# Altium PCB higgs.PcbDoc (part 18 of 25) (continued)
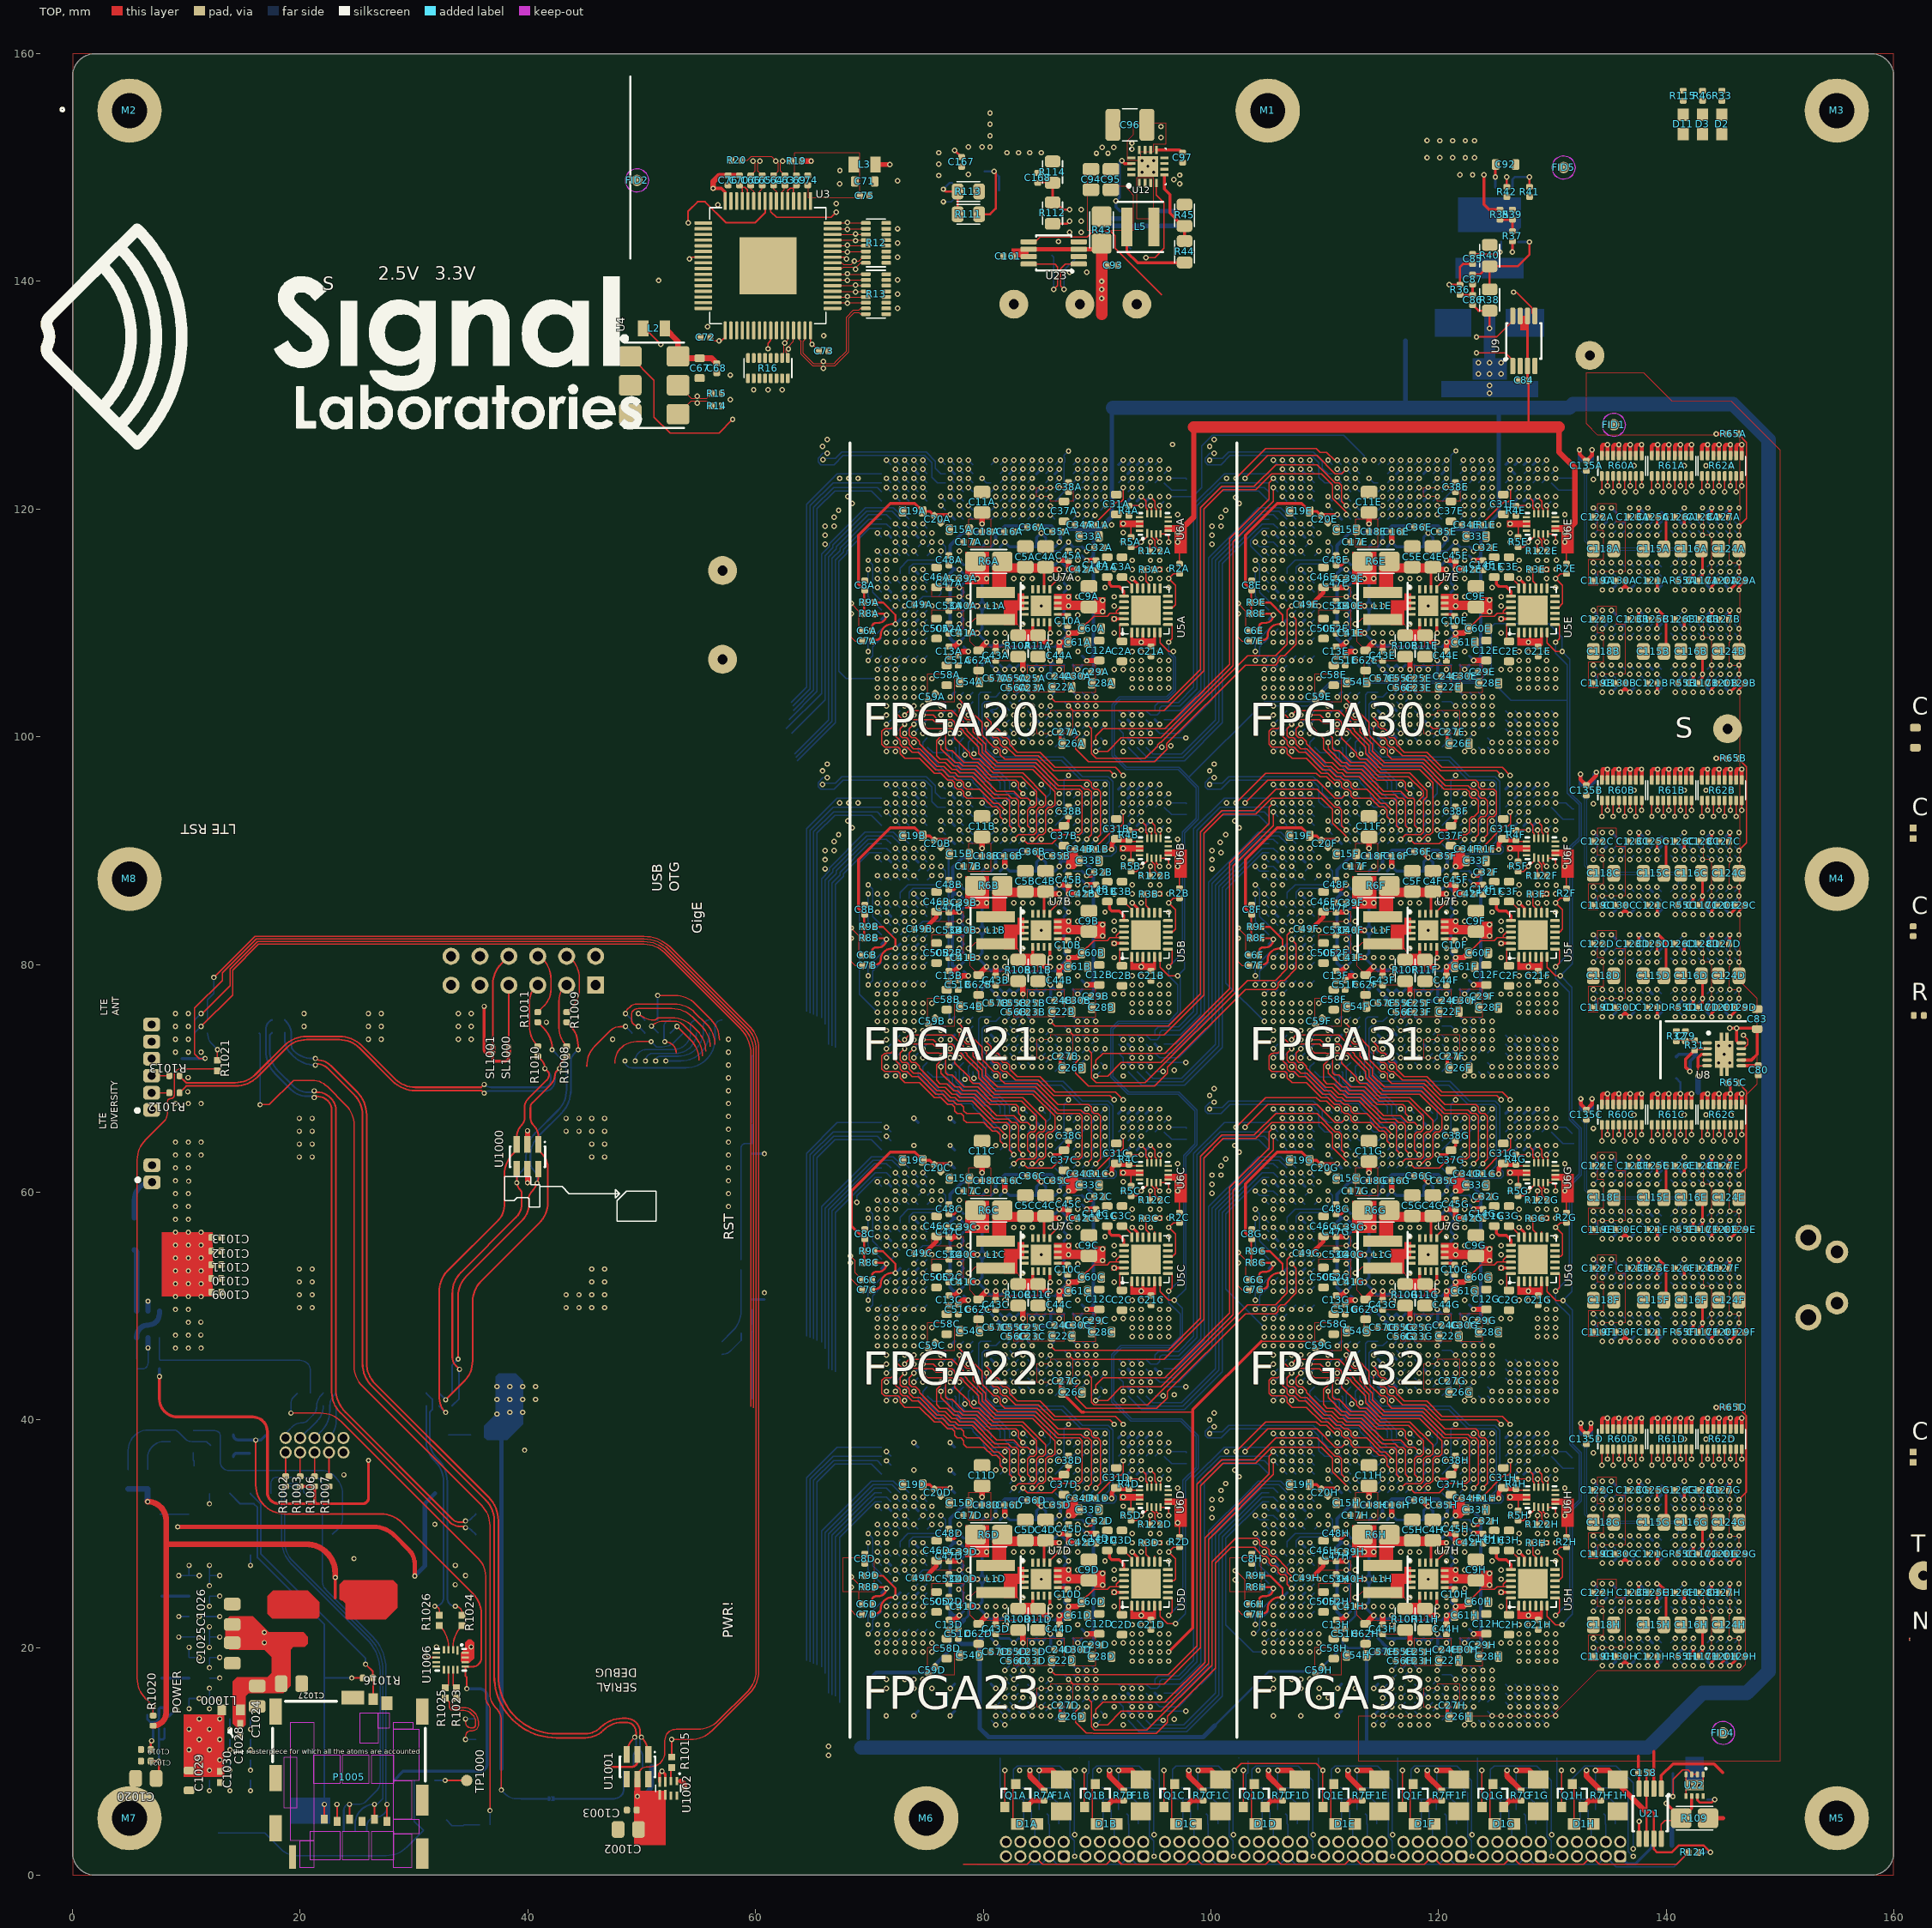
[diagram p0: TOP view]
## Nets (pads, with @x,y where several pads share a name; then routed paths per layer and width w, separated by ;. In a path a pad name is that pad's centre, name@x,y a point inside that pad or via, vN(x,y) a via of type N, cw(c..) or ccw(c..) an arc to the next point about the centre after c; other vN are vias at no path point) (continued)
  S6(H) w0.102: v1(118.3,45.7) 119.5,46.9 119.5,47.546 119.995,47.546 119.995,48.049 119.5,48.049 119.5,48.734 120.866,50.1 122.466,50.1 123.356,50.99 125.821,50.99 126.531,51.7 129.154,51.7 129.154,51.205 129.657,51.205 129.657,51.7 131.054,51.7 131.054,51.205 131.557,51.205 131.557,51.7 132.06,51.7 132.06,51.205 132.563,51.205 132.563,51.7 132.9,51.7 133.3,52.1 134.565,52.1 134.799,52.335 134.799,53.146 134.211,53.146 134.211,53.649 134.799,53.649 134.799,54.846 135.295,54.846 135.295,55.349 134.799,55.349 134.799,57.101 v1(135.199,57.5)
  BOT w0.102: U1G.U27@117.9,46.1 v1(118.3,45.7) ; v1(135.199,57.5) U14E.C8@135.599,57.1
IL34_32.LR.G0.D4_N: R60C.1 U1G.U28 U14E.K9 U14F.K9 | length 52.8
  TOP w0.102: v1(134.35,64.5) R60C.1@134.35,65.905
  S1(V) w0.102: v1(118.3,44.9) 118.7,44.5 125.4,44.5 ; 125.4,44.501 125.665,44.501 125.901,44.736 125.901,45.065 126.135,45.299 129.665,45.299 129.901,45.064 129.901,44.735 130.135,44.501 130.799,44.501 130.8,44.5 139.201,44.5 v1(141.6,46.9) 142,47.3 142,55.5 v1(141.6,55.9) 141.2,56.3 141.2,57.4 141.2,57.665 140.966,57.9 140.8,57.9 ; v1(134.35,64.5) 133.999,64.149 133.999,60.535 135.6,58.934 135.6,58.134 135.834,57.9 140.8,57.9
  BOT w0.102: U1G.U28@117.9,45.3 v1(118.3,44.9) ; U14F.K9@141.2,47.3 v1(141.6,46.9) ; U14E.K9@141.2,56.3 v1(141.6,55.9)
IL34_32.LR.G0.D4_P: U1G.T29 U14E.D7 | length 32.6
  S6(H) w0.102: v1(116.7,44.1) 117.1,44.5 120.066,44.5 120.3,44.734 120.3,46.666 120.3,49.103 120.992,49.795 122.592,49.795 123.482,50.686 126.277,50.686 126.492,50.9 135,50.9 135.6,51.5 135.6,57.9 v1(136,58.3)
  BOT w0.102: v1(116.7,44.1) U1G.T29@117.1,44.5 ; v1(136,58.3) U14E.D7@136.4,57.9
IL34_32.LR.G0.S_N: U1G.T28 U14E.B7 | length 33.4
  S6(H) w0.089: v1(116.7,44.9) 117.1,45.3 117.1,46.666 116.802,46.964 116.802,48.436 117.1,48.734 117.1,49.066 116.8,49.366 116.8,50.6 117.58,51.38 118.011,50.949 118.358,51.296 117.927,51.727 118.198,51.998 119.436,51.998 119.734,51.7 121.666,51.7 121.962,51.997 122.597,51.997 123.2,52.6 126,52.6 126.403,53.003 131.591,53.003 132.2,53.612 132.2,57.91 133.29,59 134.498,59 134.698,58.8 134.698,58.598 v1(134.399,58.3)
  BOT w0.089: v1(116.7,44.9) U1G.T28@117.1,45.3 ; v1(134.399,58.3) U14E.B7@134.799,57.9
IL34_32.LR.G0.S_P: U1G.R29 U14E.C7 | length 33.7
  S6(H) w0.089: v1(115.9,44.1) 116.3,44.5 116.3,45 116.3,46.666 116.598,46.964 116.598,48.436 116.3,48.734 116.3,49.066 116.597,49.362 116.597,50.684 118.114,52.202 119.436,52.202 119.734,52.5 121.666,52.5 121.966,52.2 122.513,52.2 123.116,52.803 125.916,52.803 126.319,53.206 131.507,53.206 131.997,53.697 131.997,57.994 132.698,58.695 133.206,59.203 134.582,59.203 134.901,58.884 134.901,58.598 v1(135.199,58.3)
  BOT w0.089: v1(115.9,44.1) U1G.R29@116.3,44.5 ; v1(135.199,58.3) U14E.C7@135.599,57.9
IL34_32.LR.G1.D0_N: U1G.P30 U14F.H7 | length 35.6
  S1(V) w0.102: v1(115.1,43.3) 114.7,43.7 114.7,46.666 116.449,48.414 117.58,48.414 117.9,48.734 117.9,49.066 119.43,50.595 120.764,50.595 121.983,51.814 124.649,51.814 125.544,52.71 126.469,52.71 126.974,53.214 130.252,53.214 131.043,54.005 131.643,54.005 132.138,54.5 135.365,54.5 136.965,52.9 137.2,52.666 137.2,51.3 v1(139.2,49.3)
  BOT w0.102: v1(115.1,43.3) U1G.P30@115.5,43.7 ; v1(139.2,49.3) U14F.H7@139.6,48.9
IL34_32.LR.G1.D0_P: U1G.P31 U14F.F7 | length 33.7
  S1(V) w0.102: v1(115.9,42.5) 115.5,42.9 115.5,46.666 116.944,48.11 118.075,48.11 118.7,48.734 118.7,49.09 119.9,50.29 120.89,50.29 122.11,51.51 125.7,51.51 127.1,52.91 130.379,52.91 130.979,53.51 135.69,53.51 136.4,52.8 136.4,51.491 137.6,50.291 v1(137.6,49.3)
  BOT w0.102: U1G.P31@115.5,42.9 v1(115.9,42.5) ; v1(137.6,49.3) U14F.F7@138,48.9
IL34_32.LR.G1.D1_N: U1G.T30 U14F.E7 | length 32.3
  S1(V) w0.102: v1(117.5,44.1) 117.1,44.5 117.1,47.103 117.497,47.5 119.866,47.5 123.266,50.9 126.126,50.9 127.526,52.3 128.754,52.3 128.754,51.22 129.257,51.22 129.257,52.3 129.76,52.3 129.76,51.698 130.263,51.698 130.263,52.3 131.231,52.3 131.831,52.9 134.565,52.9 134.799,52.666 134.799,51.535 135.034,51.3 135.4,51.3 136.8,49.9 v1(136.8,49.3)
  BOT w0.102: U1G.T30@117.1,43.7 v1(117.5,44.1) ; v1(136.8,49.3) U14F.E7@137.2,48.9
IL34_32.LR.G1.D1_P: U1G.R30 U14F.F8 | length 33.4
  S1(V) w0.102: v1(116.7,43.3) 116.3,43.7 116.3,47 117.105,47.805 118.836,47.805 120.966,49.935 121.418,49.484 121.774,49.839 121.322,50.291 122.236,51.205 126,51.205 127.4,52.605 130.505,52.605 131.105,53.205 135.094,53.205 135.6,52.7 135.6,51.532 137.2,49.931 137.2,48.9 v1(137.6,48.5)
  BOT w0.102: U1G.R30@116.3,43.7 v1(116.7,43.3) ; v1(137.6,48.5) U14F.F8@138,48.1
IL34_32.LR.G1.D2_N: U1G.P32 U14F.H8 | length 33.5
  S1(V) w0.102: v1(115.9,41.7) 116.3,42.1 116.3,42.666 116.534,42.9 117.2,42.9 117.9,43.6 117.9,46.666 118.43,47.195 119.992,47.195 123.392,50.595 126.253,50.595 126.557,50.9 131.4,50.9 132.6,52.1 133.765,52.1 133.999,51.866 133.999,51.535 134.234,51.3 134.565,51.3 136.4,49.465 136.4,48.334 136.634,48.1 138.8,48.1 v1(139.2,48.5)
  BOT w0.102: U1G.P32@115.5,42.1 v1(115.9,41.7) ; v1(139.2,48.5) U14F.H8@139.6,48.1
IL34_32.LR.G1.D2_P: U1G.N32 U14F.F2 | length 35.4
  S1(V) w0.102: v1(115.1,41.7) 114.7,42.1 114.7,43.136 113.9,43.936 113.9,46.666 115.5,48.266 115.5,49.4 118.6,52.5 123.7,52.5 125.3,54.1 128.534,54.1 130.6,54.1 131.305,54.805 135.491,54.805 137.091,53.205 137.6,52.697 v1(137.6,52.5)
  BOT w0.102: U1G.N32@114.7,42.1 v1(115.1,41.7) ; v1(137.6,52.5) U14F.F2@138,52.9
IL34_32.LR.G1.D3_N: U1G.U30 U14F.G2 | length 35.2
  S5(V) w0.102: v1(118.3,43.3) 118.7,42.9 122.466,42.9 122.7,43.134 122.7,46.666 123.334,47.3 125.5,47.3 125.9,46.9 126.621,46.9 126.943,46.578 127.273,46.578 127.508,46.813 127.743,46.578 128.074,46.578 128.395,46.9 131.969,46.9 133.199,48.13 133.199,49.465 133.434,49.7 136.651,49.7 136.651,50.392 137.154,50.392 137.154,49.7 137.657,49.7 137.657,51.069 138.16,51.069 138.16,49.7 138.603,49.7 138.8,49.897 138.8,52.1 v1(138.4,52.5)
  BOT w0.102: U1G.U30@117.9,43.7 v1(118.3,43.3) ; v1(138.4,52.5) U14F.G2@138.8,52.9
IL34_32.LR.G1.D3_P: U1G.U31 U14F.H3 | length 35.8
  S5(V) w0.102: v1(118.3,42.5) 118.7,42.1 122.466,42.1 123.5,43.134 123.5,46.666 123.734,46.9 125.1,46.9 125.9,46.1 131.6,46.1 132.8,47.3 134.631,47.3 134.631,48.105 135.134,48.105 135.134,47.3 135.637,47.3 135.637,48.1 136.14,48.1 136.14,47.3 136.643,47.3 136.643,48.1 137.146,48.1 137.146,47.3 138.3,47.3 138.8,47.8 138.8,49.465 139.2,49.865 v1(139.2,51.7)
  BOT w0.102: U1G.U31@117.9,42.9 v1(118.3,42.5) ; v1(139.2,51.7) U14F.H3@139.6,52.1
IL34_32.LR.G1.D4_N: R61C.5 U1G.Y30 U14E.K1 U14F.K1 | length 44.8
  TOP w0.102: v1(140.75,64.5) R61C.5@140.75,65.905
  S6(H) w0.102: v1(119.9,44.1) 120.3,43.7 125.1,43.7 125.405,44.005 125.405,45.105 126.095,45.795 128.205,45.795 128.7,45.3 138.597,45.3 141.2,47.903 141.2,53.7 v1(141.6,54.1) 142,54.5 142,62.7 v1(141.6,63.1) 140.75,63.951 v1(140.75,64.5)
  BOT w0.102: v1(119.9,44.1) U1G.Y30@120.3,43.7 ; U14F.K1@141.2,53.7 v1(141.6,54.1) ; U14E.K1@141.2,62.7 v1(141.6,63.1)
IL34_32.LR.G1.D4_P: U1G.W30 U14F.E3 | length 31.2
  S5(V) w0.102: v1(119.1,43.3) 119.5,43.7 120.451,43.7 120.451,43.205 120.954,43.205 120.954,43.7 121.666,43.7 121.9,43.934 121.9,46.666 122.134,46.9 122.503,46.9 123.303,47.7 124.051,47.7 124.547,48.195 126.126,48.195 126.943,47.378 127.273,47.378 127.446,47.55 127.618,47.378 127.949,47.378 128.27,47.7 132.338,47.7 132.894,48.257 132.894,50.551 133.034,50.691 133.754,50.691 133.754,50.081 134.257,50.081 134.257,50.691 134.76,50.691 134.76,50.081 135.263,50.081 135.263,50.691 135.766,50.691 135.766,50.081 136.269,50.081 136.269,50.691 136.591,50.691 136.8,50.9 v1(136.8,51.7)
  BOT w0.102: v1(119.1,43.3) U1G.W30@119.5,43.7 ; v1(136.8,51.7) U14F.E3@137.2,52.1
IL34_32.LR.G1.S_N: U1G.T31 U14F.G3 | length 36.3
  S5(V) w0.089: v1(117.5,42.5) 117.398,42.602 117.398,43.636 117.1,43.934 117.1,46.666 117.397,46.962 117.397,47.697 117.844,48.144 118.956,48.144 120.813,50 122.413,50 125.216,52.803 128.213,52.803 128.213,53.3 128.703,53.3 128.703,52.803 129.194,52.803 129.194,53.883 129.684,53.883 129.684,52.803 130.174,52.803 130.174,53.883 130.665,53.883 130.665,52.803 131.516,52.803 132.115,53.402 136.751,53.402 137.253,52.9 137.765,52.9 138,52.666 138,52.1 v1(138.4,51.7)
  BOT w0.089: U1G.T31@117.1,42.9 v1(117.5,42.5) ; v1(138.4,51.7) U14F.G3@138.8,52.1
IL34_32.LR.G1.S_P: U1G.R32 U14F.F3 | length 36.5
  S5(V) w0.089: v1(116.7,42.5) 117.1,42.1 117.8,42.1 117.9,42.2 117.9,42.666 117.602,42.964 117.602,43.636 117.9,43.934 117.9,46.666 117.6,46.966 117.6,47.613 117.928,47.94 119.04,47.94 120.3,49.2 120.897,49.797 122.497,49.797 125.3,52.6 127.135,52.6 127.135,51.8 127.626,51.8 127.626,52.6 128.116,52.6 128.116,51.8 128.606,51.8 128.606,52.6 129.097,52.6 129.097,51.8 129.587,51.8 129.587,52.6 131.6,52.6 132.199,53.199 136.667,53.199 137.2,52.666 137.2,52.206 137.193,52.2 137.193,52.107 137.2,52.1 ; 137.2,52.2 137.2,52.1 ; v1(137.6,51.7) 137.2,52.1
  BOT w0.089: U1G.R32@116.3,42.1 v1(116.7,42.5) ; v1(137.6,51.7) U14F.F3@138,52.1
IL34_32.LR.G2.D0_N: U1G.Y27 U14F.D7 | length 19.6
  S1(V) w0.102: v1(121.5,45.7) 121.398,45.802 121.398,47.017 122.325,47.944 123.034,47.944 124.391,49.3 131.691,49.3 132.592,50.202 135.098,50.202 v1(136,49.3)
  BOT w0.102: U1G.Y27@120.3,46.1 121.1,46.1 v1(121.5,45.7) ; v1(136,49.3) U14F.D7@136.4,48.9
IL34_32.LR.G2.D0_P: U1G.Y26 U14F.C2 | length 19.6
  S5(V) w0.102: v1(119.9,46.5) 119.9,47.066 122.134,49.3 123.407,49.3 125.007,50.9 125.881,50.9 131.204,50.9 133.204,52.9 134.799,52.9 v1(135.199,52.5)
  BOT w0.102: v1(119.9,46.5) U1G.Y26@120.3,46.9 ; v1(135.199,52.5) U14F.C2@135.599,52.9
IL34_32.LR.G2.D1_N: U1G.W28 U14F.A2 | length 18
  S5(V) w0.102: v1(119.9,45.7) 120.3,46.1 120.3,46.359 121.756,47.814 122.125,47.814 122.925,48.614 123.152,48.614 124.638,50.1 125.747,50.1 126,49.847 126.004,49.847 126.257,50.1 130.761,50.1 130.785,50.076 131.126,50.076 133.55,52.5 v1(133.599,52.5)
  BOT w0.102: U1G.W28@119.5,45.3 v1(119.9,45.7) ; v1(133.599,52.5) U14F.A2@133.999,52.9
IL34_32.LR.G2.D1_P: U1G.Y28 U14F.A3 | length 18
  S1(V) w0.102: v1(120.7,44.9) 120.7,46.75 122.45,48.5 122.466,48.5 122.961,48.995 123.295,48.995 124.4,50.1 130.761,50.1 130.785,50.076 131.975,50.076 v1(133.599,51.7)
  BOT w0.102: U1G.Y28@120.3,45.3 v1(120.7,44.9) ; v1(133.599,51.7) U14F.A3@133.999,52.1
IL34_32.LR.G2.D2_N: U1G.W29 U14F.C3 | length 20.7
  S5(V) w0.102: v1(119.9,44.9) 120.605,45.605 120.605,46.233 121.882,47.51 122.251,47.51 123.051,48.31 123.279,48.31 123.774,48.805 124.705,48.805 125.2,49.3 126.466,49.3 126.943,49.777 127.273,49.777 127.507,49.543 127.507,49.31 127.509,49.31 127.509,49.543 127.743,49.777 128.074,49.777 128.55,49.3 130.735,49.3 131.206,49.771 131.252,49.771 132.781,51.3 134.799,51.3 v1(135.199,51.7)
  BOT w0.102: U1G.W29@119.5,44.5 v1(119.9,44.9) ; v1(135.199,51.7) U14F.C3@135.599,52.1
IL34_32.LR.G2.D2_P: U1G.Y29 U14F.D3 | length 21
  S5(V) w0.102: v1(120.7,44.1) 121.1,44.5 121.1,46.297 122.008,47.205 122.377,47.205 123.177,48.005 123.405,48.005 123.9,48.5 126.779,48.5 127.099,48.18 127.43,48.18 127.523,48.273 127.618,48.178 127.949,48.178 128.27,48.5 130.466,48.5 130.7,48.734 130.7,48.834 131.333,49.466 131.378,49.466 132.908,50.995 135.295,50.995 v1(136,51.7)
  BOT w0.102: U1G.Y29@120.3,44.5 v1(120.7,44.1) ; v1(136,51.7) U14F.D3@136.4,52.1
IL34_32.LR.G2.D3_N: U1G.AC27 U14F.C8 | length 18.2
  S1(V) w0.102: v1(123.1,45.7) 123.5,45.3 125.099,45.3 125.099,45.795 130.005,45.795 130.5,45.3 131.854,45.3 131.854,44.805 132.357,44.805 132.357,45.795 132.86,45.795 132.86,45.3 133.365,45.3 134.799,46.734 134.799,48.1 v1(135.199,48.5)
  BOT w0.102: U1G.AC27@122.7,46.1 v1(123.1,45.7) ; v1(135.199,48.5) U14F.C8@135.599,48.1
IL34_32.LR.G2.D3_P: U1G.AB26 U14F.A7 | length 17.3
  S1(V) w0.102: v1(122.3,46.5) 122.7,46.9 131.199,46.9 131.755,47.455 132.384,46.826 132.74,47.182 132.111,47.811 132.043,47.878 132.399,48.234 132.466,48.167 133.095,47.538 133.451,47.893 132.822,48.522 v1(133.599,49.3)
  BOT w0.102: U1G.AB26@121.9,46.9 v1(122.3,46.5) ; v1(133.599,49.3) U14F.A7@133.999,48.9
IL34_32.LR.G2.D4_N: R61C.3 U1G.AD26 U14E.J3 U14F.J3 | length 42.5
  TOP w0.102: v1(139.75,64.5) R61C.3@139.75,65.905
  S5(V) w0.102: v1(123.9,46.5) 124.3,46.1 125.469,46.1 125.774,45.795 130.77,45.795 130.866,45.7 132.131,45.7 132.131,45.9 132.794,45.9 132.794,45.5 133.457,45.5 133.457,45.9 134.12,45.9 134.12,45.5 134.783,45.5 134.783,45.9 135.446,45.9 135.446,45.5 136.109,45.5 136.109,45.9 136.772,45.9 136.772,45.5 137.435,45.5 137.435,45.9 138.098,45.9 138.098,45.7 139.1,45.7 140.4,47 140.4,47.7 140.4,51.3 v1(140.8,51.7) 141.2,52.1 141.2,60.3 v1(140.8,60.7) 140.4,61.1 140.4,63.031 139.75,63.681 139.75,64.45 v1@139.8,64.5
  BOT w0.102: U1G.AD26@123.5,46.9 v1(123.9,46.5) ; U14F.J3@140.4,52.1 v1(140.8,51.7) ; U14E.J3@140.4,61.1 v1(140.8,60.7)
IL34_32.LR.G2.D4_P: U1G.AC26 U14F.B8 | length 17.4
  S1(V) w0.102: v1(123.1,46.5) 123.5,46.1 131.447,46.1 131.454,46.108 131.454,46.724 131.957,46.724 131.957,46.1 132.6,46.1 133.134,46.634 133.649,46.118 134.005,46.473 133.489,46.989 133.233,47.245 133.589,47.601 133.845,47.345 134.399,47.899 v1(134.399,48.5)
  BOT w0.102: U1G.AC26@122.7,46.9 v1(123.1,46.5) ; v1(134.399,48.5) U14F.B8@134.799,48.1
IL34_32.LR.G2.S_N: U1G.AB27 U14F.B7 | length 17.3
  S1(V) w0.089: v1@122.2,45.8 122.2,46.003 121.9,46.303 121.9,46.666 121.903,46.669 121.903,46.813 122.533,47.442 123.242,47.442 123.798,47.998 126.636,47.998 126.934,47.7 130.466,47.7 130.766,48 131.1,48 132.12,49.02 132.417,48.723 132.763,49.07 132.467,49.367 132.8,49.7 133.999,49.7 v1(134.399,49.3)
  S2(H) w0.089: v1@122.256,45.7 v1(122.3,45.7)
  BOT w0.089: U1G.AB27@121.9,46.1 v1(122.3,45.7) ; v1(134.399,49.3) U14F.B7@134.799,48.9
IL34_32.LR.G2.S_P: U1G.AB28 U14F.C7 | length 18.6
  S1(V) w0.089: v1(122.3,44.9) 121.9,45.3 121.9,46.016 121.697,46.219 121.697,46.894 121.952,47.148 122.449,47.645 123.158,47.645 123.714,48.202 128.002,48.202 128.3,48.5 130.466,48.5 130.762,48.203 131.016,48.203 132.716,49.903 134.596,49.903 v1(135.199,49.3)
  BOT w0.089: U1G.AB28@121.9,45.3 v1(122.3,44.9) ; v1(135.199,49.3) U14F.C7@135.599,48.9
IL34_32.LR.G3.D0_N: U1G.AB29 U14E.E7 | length 34.6
  S6(H) w0.102: v1(121.5,44.9) 121.1,45.3 121.1,46.703 124.497,50.1 130.761,50.1 130.785,50.076 131.115,50.076 131.349,50.31 131.349,50.384 131.554,50.59 131.554,49.61 132.057,49.61 132.057,50.59 132.56,50.59 132.56,49.761 133.063,49.761 133.063,50.59 133.566,50.59 133.566,50.1 134.069,50.1 134.069,50.59 134.572,50.59 134.572,50.1 134.965,50.1 136.4,51.535 136.4,53.252 135.91,53.252 135.91,53.755 136.4,53.755 136.4,54.258 135.91,54.258 135.91,54.761 136.4,54.761 136.4,57.9 v1(136.8,58.3)
  BOT w0.102: v1(121.5,44.9) U1G.AB29@121.9,44.5 ; v1(136.8,58.3) U14E.E7@137.2,57.9
IL34_32.LR.G3.D0_P: U1G.AB30 U14E.F7 | length 33.3
  S6(H) w0.102: v1(122.3,44.1) 121.9,44.5 121.9,47.072 124.128,49.3 124.437,49.3 124.437,49.609 124.94,49.609 124.94,49.3 125.443,49.3 125.938,49.795 128.553,49.795 129.048,49.3 133.034,49.3 133.529,49.795 135.695,49.795 136.111,50.211 135.809,50.513 136.165,50.868 136.466,50.567 137.2,51.3 137.2,53.146 136.704,53.146 136.704,53.649 137.2,53.649 137.2,54.846 136.704,54.846 136.704,55.349 137.2,55.349 137.2,56.446 136.704,56.446 136.704,56.949 137.2,56.949 137.2,57.9 v1(137.6,58.3)
  BOT w0.102: U1G.AB30@121.9,43.7 v1(122.3,44.1) ; v1(137.6,58.3) U14E.F7@138,57.9
IL34_32.LR.G3.D1_N: U1G.AD29 U14E.H7 | length 36.5
  S6(H) w0.102: v1(123.9,44.9) 123.5,45.3 123.5,46.666 124.534,47.7 130.466,47.7 130.865,48.1 133.522,48.1 133.522,47.521 134.025,47.521 134.025,48.1 134.528,48.1 134.528,47.7 135.031,47.7 135.031,48.1 135.534,48.1 135.534,47.7 136.037,47.7 136.037,48.1 136.54,48.1 136.54,47.7 137.043,47.7 137.043,48.1 137.546,48.1 137.546,47.7 138.048,47.7 138.048,48.1 138.6,48.1 138.8,48.3 138.8,53.146 139.295,53.146 139.295,53.649 138.8,53.649 138.8,54.846 139.295,54.846 139.295,55.349 138.8,55.349 138.8,56.446 139.295,56.446 139.295,56.949 138.8,56.949 138.8,57.9 v1(139.2,58.3)
  BOT w0.102: U1G.AD29@123.5,44.5 v1(123.9,44.9) ; v1(139.2,58.3) U14E.H7@139.6,57.9
IL34_32.LR.G3.D1_P: U1G.AC28 U14E.F8 | length 35
  S6(H) w0.102: v1(123.1,44.9) 122.7,45.3 122.7,47.2 124,48.5 130.466,48.5 130.865,48.9 132.246,48.9 132.246,48.404 132.749,48.404 132.749,48.9 137.765,48.9 138,49.134 138,49.943 136.82,49.943 136.82,50.446 138.495,50.446 138.495,50.949 138,50.949 138,53.146 138.495,53.146 138.495,53.649 138,53.649 138,54.543 137.505,54.543 137.505,55.046 138.208,55.046 138.208,55.549 138,55.549 138,57.1 v1(137.6,57.5)
  BOT w0.102: U1G.AC28@122.7,45.3 v1(123.1,44.9) ; v1(137.6,57.5) U14E.F8@138,57.1
IL34_32.LR.G3.D2_N: U1G.Y32 U14E.E3 | length 33.6
  S2(H) w0.102: v1(121.5,44.1) 121.1,44.5 121.1,45.866 124.534,49.3 130.466,49.3 131.566,50.401 132.132,49.835 132.488,50.191 131.922,50.756 132.466,51.3 136.165,51.3 136.4,51.535 136.4,60.3 v1(136.8,60.7)
  BOT w0.102: U1G.Y32@120.3,42.1 121.1,42.9 121.1,43.7 v1(121.5,44.1) ; v1(136.8,60.7) U14E.E3@137.2,61.1
IL34_32.LR.G3.D2_P: U1G.W31 U14E.H3 | length 35.3
  S2(H) w0.102: v1(119.9,43.3) 120.3,42.9 123.7,42.9 124.501,43.701 124.913,43.701 125.099,43.887 125.099,45.064 126.136,46.1 130.8,46.1 132.495,47.795 134.26,47.795 134.799,48.334 134.799,49.465 135.229,49.895 137.961,49.895 139.6,51.535 139.6,60.3 v1(139.2,60.7)
  BOT w0.102: U1G.W31@119.5,42.9 v1(119.9,43.3) ; v1(139.2,60.7) U14E.H3@139.6,61.1
IL34_32.LR.G3.D3_N: U1G.AE30 U14E.F2 | length 35.7
  S6(H) w0.102: v1(124.7,44.1) 125.1,44.5 125.1,44.8 125.1,45.5 125.7,46.1 134.851,46.1 134.851,46.5 135.354,46.5 135.354,45.605 135.857,45.605 135.857,46.1 138.166,46.1 138.8,46.734 138.8,47.103 139.905,48.208 139.905,60.561 139.366,61.1 138,61.1 v1(137.6,61.5)
  BOT w0.102: U1G.AE30@124.3,43.7 v1(124.7,44.1) ; v1(137.6,61.5) U14E.F2@138,61.9
IL34_32.LR.G3.D3_P: U1G.AD30 U14E.H8 | length 35.3
  S6(H) w0.102: v1(123.9,44.1) 124.3,44.5 124.3,45.866 124.534,46.1 125.1,46.1 125.9,46.9 131.051,46.9 131.051,47.795 131.554,47.795 131.554,46.405 132.057,46.405 132.057,47.795 132.56,47.795 132.56,46.405 133.063,46.405 133.063,46.9 133.834,46.9 134.329,47.395 138.661,47.395 139.6,48.334 139.6,50.052 139.105,50.052 139.105,50.555 139.6,50.555 139.6,57.1 v1(139.2,57.5)
  BOT w0.102: U1G.AD30@123.5,43.7 v1(123.9,44.1) ; v1(139.2,57.5) U14E.H8@139.6,57.1
IL34_32.LR.G3.D4_N: R61C.7 U1G.AE31 U14E.L2 U14F.L2 | length 47.6
  TOP w0.102: v1(141.75,64.5) R61C.7@141.75,65.905
  S2(H) w0.102: v1(124.7,42.5) v1(124.7,42.5)
  S6(H) w0.102: v1(124.7,42.5) 125.901,43.701 125.901,45.065 126.135,45.299 127.265,45.299 127.499,45.065 127.499,44.736 127.736,44.5 131.231,44.5 131.231,44.83 131.694,44.83 131.694,44.5 132.157,44.5 132.157,44.83 132.62,44.83 132.62,44.5 133.083,44.5 133.083,44.83 133.546,44.83 133.546,44.5 134.009,44.5 134.009,44.83 134.472,44.83 134.472,44.5 134.935,44.5 134.935,44.83 135.398,44.83 135.398,44.5 135.861,44.5 135.861,44.83 136.324,44.83 136.324,44.5 136.787,44.5 136.787,44.83 137.25,44.83 137.25,44.5 137.713,44.5 137.713,44.83 138.176,44.83 138.176,44.5 139.766,44.5 142,46.734 142,46.8 142,52.1 v1(142.4,52.5) 142.8,52.9 142.8,61.1 v1(142.4,61.5) 142.4,62.866 141.75,63.516 v1(141.75,64.5)
  BOT w0.102: U1G.AE31@124.3,42.9 v1(124.7,42.5) ; U14F.L2@142,52.9 v1(142.4,52.5) ; U14E.L2@142,61.9 v1(142.4,61.5)
IL34_32.LR.G3.D4_P: U1G.AC31 U14E.G2 | length 33.5
  S2(H) w0.102: v1(123.1,43.3) 123.664,43.3 124.299,43.935 124.299,44.099 124.3,44.1 124.3,45.066 124.534,45.3 124.866,45.3 125.1,45.534 125.1,46.2 125.8,46.9 130.3,46.9 130.606,46.9 133.906,50.2 137.709,50.2 138.8,51.291 138.8,54.646 139.295,54.646 139.295,55.149 138.8,55.149 138.8,59.346 139.295,59.346 139.295,59.849 138.8,59.849 138.8,61.1 v1(138.4,61.5)
  BOT w0.102: U1G.AC31@122.7,42.9 v1(123.1,43.3) ; v1(138.4,61.5) U14E.G2@138.8,61.9
IL34_32.LR.G3.S_N: U1G.AB31 U14E.G3 | length 33.1
  S2(H) w0.089: v1(122.3,43.3) 122.7,43.7 123.266,43.7 123.5,43.934 123.5,46.666 123.2,46.966 123.2,47.2 123.7,47.7 130.466,47.7 130.766,48 131.284,48 133.784,50.5 137.3,50.5 137.701,50.901 137.701,51.245 138,51.544 138,52.666 137.701,52.964 137.701,53.636 138,53.935 138,54.266 137.701,54.564 137.701,55.436 138,55.734 138,56.065 137.701,56.364 137.701,57.036 138,57.334 138,58.465 137.703,58.762 137.703,59.318 138.101,59.716 138.101,60.402 v1(138.4,60.7)
  BOT w0.089: U1G.AB31@121.9,42.9 v1(122.3,43.3) ; v1(138.4,60.7) U14E.G3@138.8,61.1
IL34_32.LR.G3.S_P: U1G.AC30 U14E.F3 | length 33.1
  S2(H) w0.089: v1(123.1,44.1) 122.7,44.5 122.7,46.666 122.997,46.962 122.997,47.284 123.914,48.202 124.445,48.202 124.445,48.789 124.935,48.789 124.935,48.202 125.845,48.202 126.143,48.5 130.466,48.5 130.762,48.203 131.2,48.203 133.7,50.703 137.216,50.703 137.498,50.986 137.498,51.245 137.2,51.544 137.2,52.666 137.498,52.964 137.498,53.636 137.2,53.935 137.2,54.266 137.498,54.564 137.498,55.436 137.2,55.734 137.2,56.065 137.498,56.364 137.498,57.036 137.2,57.334 137.2,58.465 137.5,58.766 137.5,59.402 137.898,59.8 137.898,60.402 v1(137.6,60.7)
  BOT w0.089: U1G.AC30@122.7,43.7 v1(123.1,44.1) ; v1(137.6,60.7) U14E.F3@138,61.1
IL34_32.TB.G8.D0_N: R60C.4 U1G.AG29 U14E.N7 U14F.N7 | length 49.9
  TOP w0.102: v1(135.85,65.05) R60C.4@135.85,65.905
  S1(V) w0.102: v1@135.904,65.05 135.904,62.496 136.4,62 136.4,60.3 137.391,59.309 142.991,59.309 v1(144,58.3)
  S2(H) w0.102: v1(126.3,44.1) 126.7,43.7 128.866,43.7 129.1,43.466 129.1,43.134 129.334,42.9 139.766,42.9 140.244,43.378 140.075,43.548 140.43,43.903 140.6,43.734 140.956,44.089 140.786,44.259 141.142,44.615 141.311,44.445 142.6,45.734 142.303,46.031 142.659,46.386 142.956,46.089 143.6,46.734 143.6,47.352 143.351,47.352 143.351,47.855 143.6,47.855 143.6,48.9 v1(144,49.3) 144.4,49.7 144.4,57.9 v1(144,58.3)
  BOT w0.102: U1G.AG29@125.9,44.5 v1(126.3,44.1) ; U14F.N7@143.6,48.9 v1(144,49.3) ; U14E.N7@143.6,57.9 v1(144,58.3)
IL34_32.TB.G8.D0_P: R62C.3 U1G.AG28 U14E.N2 U14F.N2 | length 42.9
  TOP w0.102: v1(144.15,64.5) R62C.3@144.15,65.905
  S6(H) w0.102: v1(126.3,44.9) 126.7,44.5 126.7,43.934 126.934,43.7 130.7,43.7 131.1,43.3 132.231,43.3 132.231,43.48 132.894,43.48 132.894,43.1 133.557,43.1 133.557,43.48 134.22,43.48 134.22,43.1 134.883,43.1 134.883,43.3 140.166,43.3 143.6,46.734 143.6,52.1 v1(144,52.5) 144.4,52.9 144.4,61.1 v1(144,61.5) 144.4,61.9 144.4,63.8 144.15,64.05 v1(144.15,64.5)
  BOT w0.102: U1G.AG28@125.9,45.3 v1(126.3,44.9) ; U14F.N2@143.6,52.9 v1(144,52.5) ; U14E.N2@143.6,61.9 v1(144,61.5)
IL34_32.TB.G8.D1_N: R60C.8 U1G.AH28 U14E.R7 U14F.R7 | length 51.2
  TOP w0.102: v1(137.85,65.05) R60C.8@137.85,65.905
  S1(V) w0.102: v1@137.9,65.05 137.85,65 137.85,64.45 138.8,63.5 138.8,62.8 140.5,61.1 144.166,61.1 144.4,60.866 144.4,60.131 145.601,58.931 v1(145.601,58.3)
  S2(H) w0.102: v1(127.1,44.9) 126.699,44.499 126.135,44.499 125.901,44.265 125.901,43.135 126.135,42.901 127.735,42.901 ; v1(145.601,58.3) 146.001,57.9 146.001,49.7 v1(145.601,49.3) 145.201,48.9 145.201,46.9 145.201,46.734 140.567,42.1 129.334,42.1 129.1,42.334 129.1,42.666 128.866,42.9 127.736,42.9 ; 127.735,42.901 127.736,42.9
  BOT w0.102: U1G.AH28@126.7,45.3 v1(127.1,44.9) ; U14F.R7@145.201,48.9 v1(145.601,49.3) ; U14E.R7@145.201,57.9 v1(145.601,58.3)
IL34_32.TB.G8.D1_P: R61C.6 U1G.AJ28 U14E.L3 U14F.L3 | length 43.2
  TOP w0.102: v1(141.25,65.05) R61C.6@141.25,65.905
  S5(V) w0.102: v1(127.9,44.9) 128.3,44.5 131.251,44.5 131.251,44.135 131.754,44.135 131.754,44.5 132.257,44.5 132.257,44.135 132.76,44.135 132.76,44.5 133.263,44.5 133.263,44.135 133.766,44.135 133.766,44.5 134.269,44.5 134.269,44.135 134.772,44.135 134.772,44.5 135.275,44.5 135.275,44.135 135.778,44.135 135.778,44.5 136.281,44.5 136.281,44.135 136.784,44.135 136.784,44.5 137.287,44.5 137.287,44.135 137.79,44.135 137.79,44.5 139.766,44.5 140.3,45.034 140.484,44.849 140.84,45.205 140.655,45.389 141.011,45.745 141.196,45.56 141.551,45.916 141.367,46.101 142,46.734 142,51.3 v1(142.4,51.7) 142.8,52.1 142.8,60.3 v1(142.4,60.7) 142,61.1 142,63.4 141.25,64.15 v1(141.25,65.05)
  BOT w0.102: U1G.AJ28@127.5,45.3 v1(127.9,44.9) ; U14F.L3@142,52.1 v1(142.4,51.7) ; U14E.L3@142,61.1 v1(142.4,60.7)
IL34_32.TB.G8.D2_N: R62C.7 U1G.AG30 U14E.R2 U14F.R2 | length 43.2
  TOP w0.102: v1(146.15,64.5) R62C.7@146.15,65.905
  S6(H) w0.102: v1(126.3,43.3) 126.7,42.9 126.7,42.334 126.934,42.1 140.567,42.1 145.201,46.734 145.201,52.1 v1(145.601,52.5) 146.001,52.9 146.001,61.1 v1(145.601,61.5) 146.001,61.9 146.001,64.001 146.15,64.15 v1(146.15,64.5)
  BOT w0.102: U1G.AG30@125.9,43.7 v1(126.3,43.3) ; U14F.R2@145.201,52.9 v1(145.601,52.5) ; U14E.R2@145.201,61.9 v1(145.601,61.5)
IL34_32.TB.G8.D2_P: R62C.2 U1G.AH30 U14E.N3 U14F.N3 | length 43
  TOP w0.102: v1(143.65,65.05) R62C.2@143.65,65.905
  S5(V) w0.102: v1(127.1,43.3) 127.5,42.9 134.031,42.9 134.031,43.025 134.694,43.025 134.694,42.53 135.357,42.53 135.357,43.025 136.02,43.025 136.02,42.53 136.683,42.53 136.683,43.025 137.346,43.025 137.346,42.53 138.009,42.53 138.009,43.025 138.672,43.025 138.672,42.9 139.766,42.9 143.6,46.734 143.6,51.3 v1(144,51.7) 144.4,52.1 144.4,60.3 v1(144,60.7) 143.6,61.1 143.6,65 v1(143.65,65.05)
  BOT w0.102: U1G.AH30@126.7,43.7 v1(127.1,43.3) ; U14F.N3@143.6,52.1 v1(144,51.7) ; U14E.N3@143.6,61.1 v1(144,60.7)
IL34_32.TB.G8.D3_N: R60C.5 U1G.AK30 U14E.P8 U14F.P8 | length 50.4
  TOP w0.102: v1(136.35,64.5) R60C.5@136.35,65.905
  S1(V) w0.102: v1(128.7,43.3) 129.1,42.9 131.516,42.9 131.516,43.09 132.149,43.09 132.149,42.71 132.782,42.71 132.782,43.09 133.415,43.09 133.415,42.71 134.048,42.71 134.048,43.09 134.681,43.09 134.681,42.71 135.314,42.71 135.314,43.09 135.947,43.09 135.947,42.71 136.58,42.71 136.58,43.09 137.213,43.09 137.213,42.71 137.846,42.71 137.846,43.09 138.479,43.09 138.479,42.71 139.112,42.71 139.112,42.9 140.567,42.9 144.4,46.734 144.4,48.1 v1(144.801,48.5) 145.201,48.9 145.201,57.1 v1(144.801,57.5) 144.801,57.734 144.401,58.134 144.401,58.4 144.4,58.7 143.486,59.614 137.517,59.614 137.2,59.931 137.2,61.8 136.35,62.65 v1(136.35,64.5)
  BOT w0.102: U1G.AK30@128.3,43.7 v1(128.7,43.3) ; U14F.P8@144.401,48.1 v1(144.801,48.5) ; U14E.P8@144.401,57.1 v1(144.801,57.5)
IL34_32.TB.G8.D3_P: R61C.8 U1G.AK29 U14E.M3 U14F.M3 | length 43
  TOP w0.102: v1(142.25,65.05) R61C.8@142.25,65.905
  S5(V) w0.102: v1(128.7,44.1) 129.1,43.7 131.531,43.7 131.531,43.83 132.194,43.83 132.194,43.33 132.857,43.33 132.857,43.83 133.52,43.83 133.52,43.33 134.183,43.33 134.183,43.83 134.846,43.83 134.846,43.33 135.509,43.33 135.509,43.83 136.172,43.83 136.172,43.33 136.835,43.33 136.835,43.83 137.498,43.83 137.498,43.33 138.161,43.33 138.161,44.07 138.824,44.07 138.824,43.7 139.766,43.7 142.8,46.734 142.8,51.3 v1(143.2,51.7) 143.6,52.1 143.6,60.3 v1(143.2,60.7) 142.8,61.1 142.8,62.884 142.7,62.984 142.7,64.6 v1(142.25,65.05)
  BOT w0.102: U1G.AK29@128.3,44.5 v1(128.7,44.1) ; U14F.M3@142.8,52.1 v1(143.2,51.7) ; U14E.M3@142.8,61.1 v1(143.2,60.7)
IL34_32.TB.G13.C_N: R64C.2 U1G.AE32 U14E.K7 U14F.K7 | length 60
  S2(H) w0.089: v1(124.7,41.7) 124.3,42.1 124.3,42.666 124.534,42.9 124.822,42.9 125.601,43.679 125.601,44.856 126.242,45.497 129.703,45.497 129.9,45.3 129.9,44.6 130,44.5 130.466,44.5 130.762,44.797 131.268,44.797 131.328,44.856 131.328,45.127 131.775,45.127 131.775,44.526 131.835,44.467 132.569,44.467 132.628,44.526 132.628,45.127 133.076,45.127 133.076,44.526 133.135,44.467 133.87,44.467 133.929,44.526 133.929,45.127 134.376,45.127 134.376,44.526 134.436,44.467 135.17,44.467 135.23,44.526 135.23,45.127 135.677,45.127 135.677,44.526 135.736,44.467 136.471,44.467 136.53,44.526 136.53,45.127 136.977,45.127 136.977,44.526 137.037,44.467 137.771,44.467 137.831,44.526 137.831,45.127 138.278,45.127 138.278,44.526 138.337,44.467 139.072,44.467 139.131,44.526 139.131,44.797 139.736,44.797 140.88,45.941 140.88,46.414 141.2,46.734 141.2,48.9 v1(141.6,49.3) 141.302,49.598 141.302,50 141.7,50.398 141.7,50.5 141.702,50.502 141.702,51.236 142,51.535 142,52.666 141.702,52.964 141.702,53.636 142,53.935 142,54.266 141.702,54.564 141.702,55.436 142,55.734 142,56.065 141.702,56.364 141.702,57.036 142,57.334 142,57.9 v1(141.6,58.3)
  BOT w0.089: R64C.2@133.4,66.355 133.052,66.007 133.052,60.248 133.696,59.603 140.683,59.603 141.302,58.984 141.302,58.598 v1(141.6,58.3) U14E.K7@141.2,57.9 ; U14F.K7@141.2,48.9 v1(141.6,49.3)
  BOT w0.102: U1G.AE32@124.3,42.1 v1(124.7,41.7)